# Altium PCB nova34.PcbDoc (part 1 of 4) (continued)
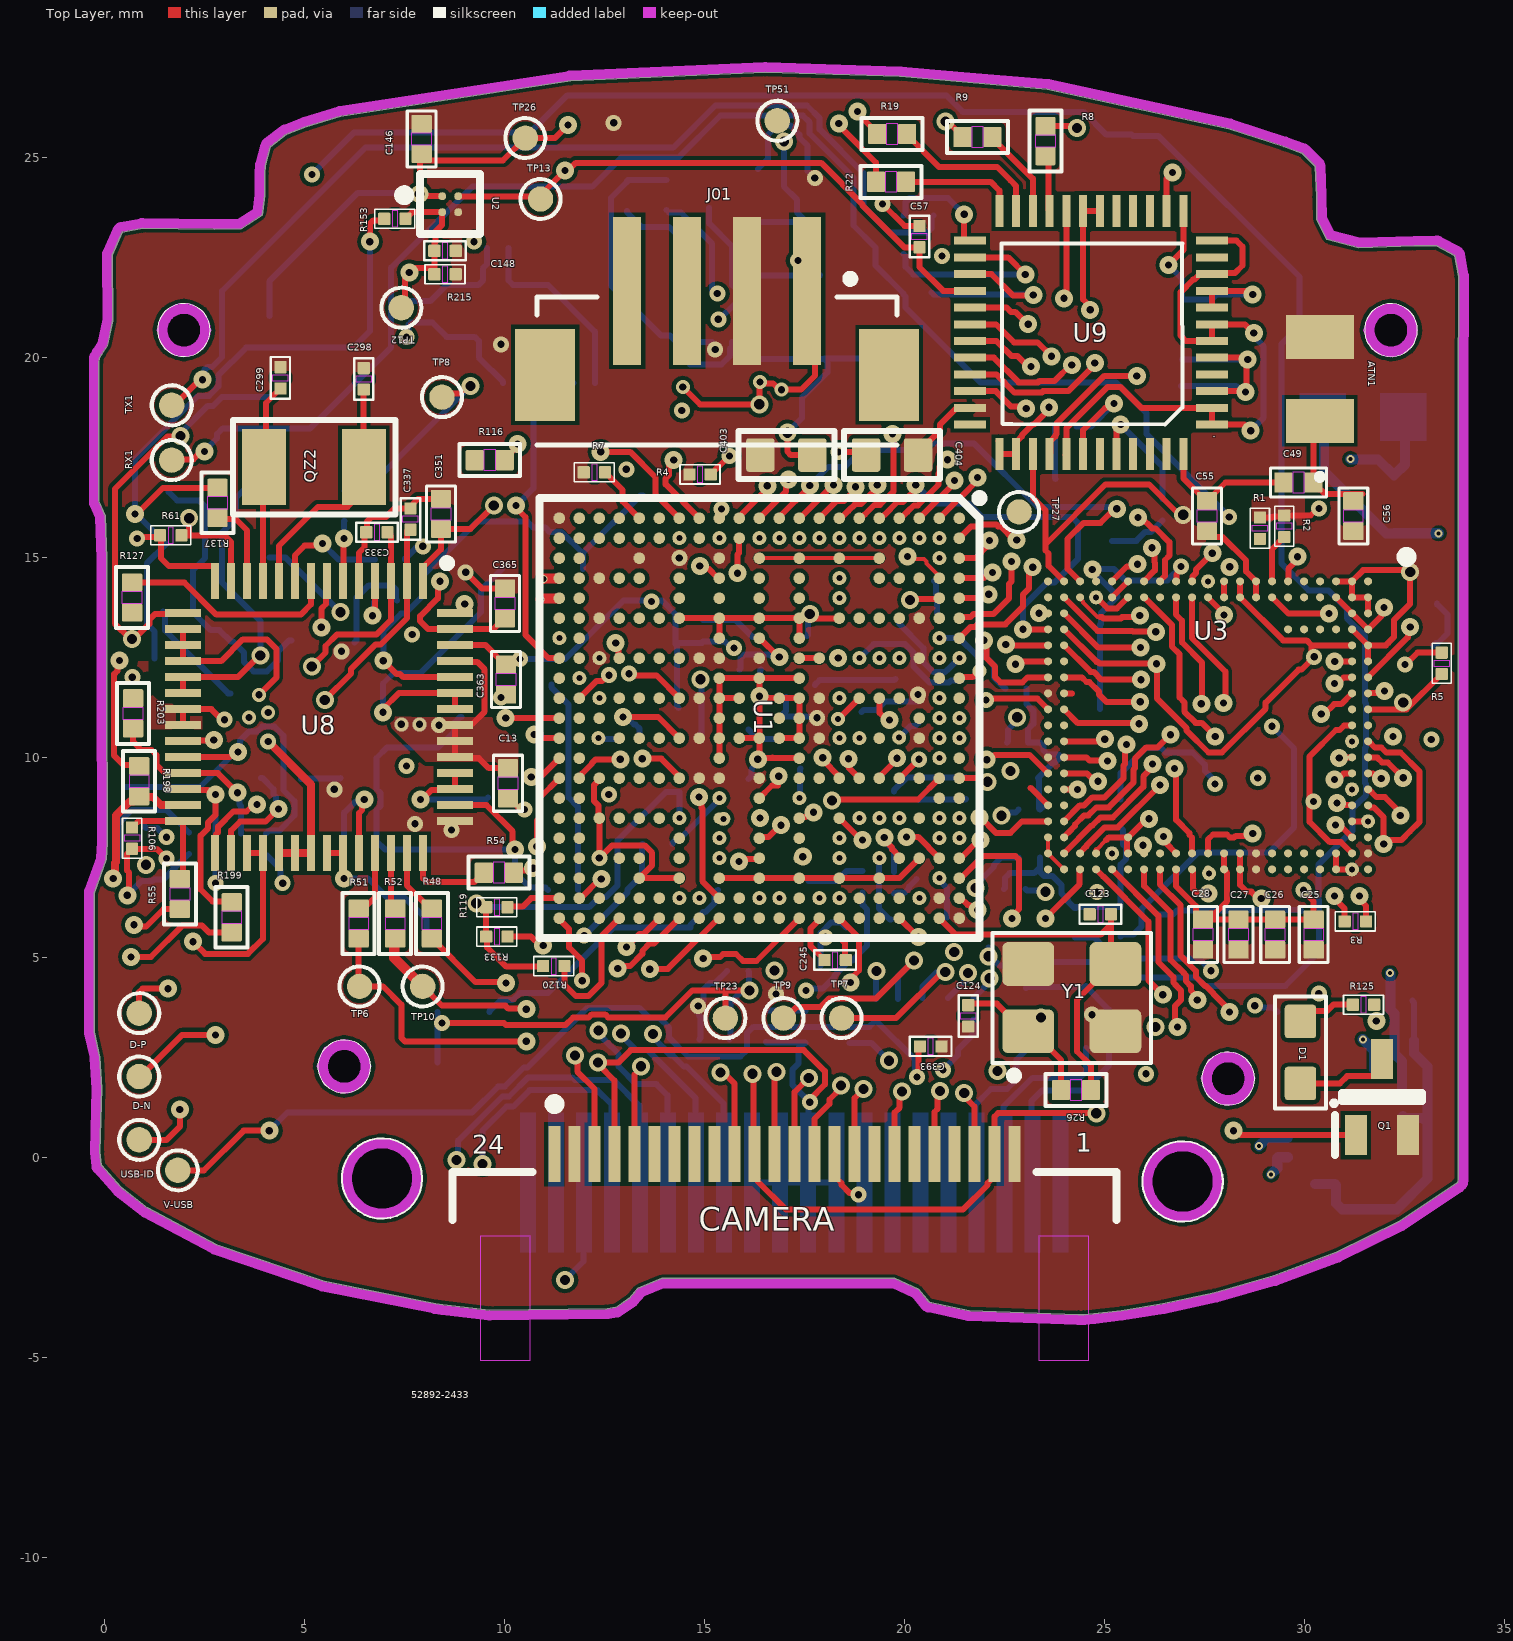
[diagram p0: Top Layer view]
## Footprints (in the part's own frame and the unit in brackets; to place one, negate y for a bottom-side part, rotate by r counter-clockwise, add the part's x,y. Pads: shape width x height; smd on the part's side, far side on the other; paste and mask are expansions set on the pad) (continued)
  silkscreen extent -0.5,-0.5 0.5,0.5
"XTAL_ABS07-32.768KHZ-T - duplicate" [mm] "XTAL_ABS07-32.768KHZ-T\By AAR"
  rect 1.1x1.9 smd: 1(-1.25,0) 2(1.25,0)
  silkscreen extent -2.02,-1.18 2.04,1.18, body extent -1.6,-0.75 1.6,0.75, height 0.9

## Part data
ATN1: "Antennas Ceramic Chip ANTENNA BT/WLAN 2.4-2.5GHz", Manufacturer_Name="Kyocera AVX", Geometry.Height=1.18mm, Manufacturer_Part_Number=M310220
C1 C4 C6 C7 C10 C11 C12 C14 C15 C16: library part CAP_NP
  C1 C4 C6 C10 C11 C12 C14 C16: CLASS=DISCRETE
C3 C5 C8 C9 C17 C21 C30 C100 C101 C104 C148 C244 C264 C392 C393 C485 C486 C491 C492: library part CAP_NP, "CAP CER 0.22UF 10V 20% X5R 0201", Tolerance=20%, Voltage=10V, AGILE_PN=150-78815, CAD_APPROVED=Yes, CLASS=DISCRETE, Height=0.33MM, MFG_NAME01="Taiyo Yuden", MFG_PN01=LMK063BJ224MP-F, PCB Footprint=0201_CC, RoHS=Yes
  C3 C5 C8 C9 C17 C21 C100 C101 C104 C148 C264 C392 C393 C485 C486 C491 C492: FPLIST=CC0201,CC0201_HD,0201_CC
  C30: FPLIST=CC0201,CC0201_HD,0201_CC,0201_CC_012SM_NSP
  C244: FPLIST=CC0201,CC0201_HD,0201_CC,CC_0201_CIR,0201_CC_012SM_NSP
C13 C146 C260 C302 C453: library part CAP_NP, "CAP CER 4.7uF 10V 10% X5R 0402", Tolerance=10%, Voltage=10V, AGILE_PN=150-80044, CAD_APPROVED=Yes, CLASS=DISCRETE, FPLIST=CC0402_25,CC0402_HD,0402_CC, Height=0.65MM, MFG_NAME01="Samsung Electro Mechanics", MFG_PN01=CL05A475KP5NRNC, PCB Footprint=0402_CC, RoHS=Yes
C18 C19 C20 C25 C26 C27 C28 C35 C36 C37 C38 C50: library part CAP_NP, Voltage=6.3V, CLASS=DISCRETE
C22 C23 C24 C29 C31 C32 C33 C34 C39 C40 C41 C42 C43 C44 C45 C46 C47 C48 C51 C52 C53 C54: library part CAP_NP, Voltage=10V, CLASS=DISCRETE
C49 C55 C56: library part CAP_NP, "CAP CER 10PF 25V 5% C0G 0402", Package Size="Paper Tape (7\" Reel)", Package Type=0402, Tolerance=5%, Voltage=25V, AGILE_PN=150-30134, CAD_APPROVED=Yes, CLASS=DISCRETE, FPLIST=CC0402_25,CC0402_HD,0402_CC, Height="0.635 MM", MFG_NAME01="VENKEL COMPANY", MFG_PN01=C0402C0G250-100JNP, PCB Footprint=0402_CC, RoHS=Yes
  C55 C56: ASSY_OPT=DNP
C57 C90 C91 C92 C93 C94 C95 C254 C256 C267 C274 C333 C337 C391 C458 C481 C482 C483 C484 C489 C490: library part CAP_NP, "CAP CER 1uF 6.3V 20% X5R 0201", Package Size=0201, Package Type="7¡± reel", Tolerance=20%, Voltage=6.3V, AGILE_PN=150-79407, CAD_APPROVED=Yes, CLASS=DISCRETE, FPLIST=CC0201,CC0201_HD,0201_CC,0201_CC_012SM_NSP, Height=0.35MM, MFG_NAME01=AVX, MFG_PN01=02016D105MAT2A, PCB Footprint=0201_CC, RoHS=Yes
  C458: ASSY_OPT=DNP
C58 C59 C60 C61: library part CMP-2100-03641-2, "CAP CER 0.1UF 16V X7R 0402", Capacitance=0.10μF, Manufacturer=Murata, Package=GRM15, Temperature="-55°C to +125°C", Temperature Characteristic=X7R, Temperature Range High=+125°C, Temperature Range Low=-55°C, Tolerance=10%, Voltage Rating=16Vdc, Category=Cap, ComponentLink2Description=Datasheet, ComponentLink2URL=https://search.murata.co.jp/Ceramy/image/img/A01X/G101/ENG/GRM155R71H471KA01-01A.pdf, Device Class L1="Passive Components", Device Class L2=Capacitors, Device Class L3="Ceramic Capacitors", Digikey Description="CAP CER 0.1UF 16V X7R 0402", Height=0.55mm, Ipc Land Pattern Name=CAPC10050X219, Lead Free=yes, Manufacturer Part Number=GRM155R71C104KA88D, Material=Ceramic, Mouser Description="0402 0.1 uF 16V ±10 % Tolerance X7R SMT Multilayer Ceramic Capacitor", Octopart=https://octopart.com/grm155r71c104ka88d-murata-196880, RoHS=TRUE, Standoff Height=0mm
C62: library part CMP-2007-00044-1, Manufacturer="AVX Interconnect / Elco", Part Number=TACR476M006XTA
C88 C89 C247 C265 C266 C488 C493 C494 C495: library part CAP_NP, "CAP CER 10UF 6.3V 20% X5R 0402", Tolerance=20%, Voltage=6.3V, AGILE_PN=150-79163, CAD_APPROVED=Yes, CLASS=DISCRETE, FPLIST=CC0402_25,CC0402_HD,0402_CC, Height="0.65 MM", MFG_NAME01="SAMSUNG ELECTRO MECHANICS", MFG_PN01=CL05A106MQ5NUNC, PCB Footprint=0402_CC, RoHS=Yes
C123 C124: library part CAP_NP, "CAP CER 12PF 25V 5% C0G AEC-Q200 0201", Tolerance=5%, Voltage=25V, AGILE_PN=150-79813, CAD_APPROVED=Yes, CLASS=DISCRETE, FPLIST=CC0201,CC0201_HD,0201_CC, Height=0.33MM, MFG_NAME01=TDK, MFG_PN01=CGA1A2C0G1E120J030BA, PCB Footprint=0201_CC, RoHS=Yes
C245 C298 C299: library part CAP_NP, "CAP CER 18pF 50V 5% C0G 0201", Package Size=0201, Package Type="&#966;180mm Paper taping", Tolerance=5%, Voltage=50V, AGILE_PN=150-79476, CAD_APPROVED=Yes, CLASS=DISCRETE, FPLIST=CC0201,CC0201_HD,0201_CC, Height=0.33MM, MFG_NAME01=MURATA, MFG_PN01=GRM0335C1H180JA01D, PCB Footprint=0201_CC, RoHS=Yes
C268: library part CAP_NP, "CAP CER 2200PF 16V 10% X7R 0201", Tolerance=20%, Voltage=16V, AGILE_PN=150-78660, CAD_APPROVED=Yes, CLASS=DISCRETE, FPLIST=CC0201,CC0201_HD,0201_CC, Height="0.33 MM", MFG_NAME01=MURATA, MFG_PN01=GRM033R71C222KA88D, PCB Footprint=0201_CC, RoHS=Yes
C272 C351 C365: library part CAP_NP, "CAP CER 1uF 10V 10% X7S 0402", Package Size=0402, Temp Range="-55C - 125C", Tolerance=10%, Voltage=10, AGILE_PN=150-80357, CAD_APPROVED=Yes, CLASS=DISCRETE, FPLIST=CC0402_25,CC0402_HD,0402_CC, Height=0.6MM, MFG_NAME01=MURATA, MFG_PN01=GRM155C71A105KE11D, PCB Footprint=0402_CC, RoHS=Yes, Temp_Range="-55C - 125C"
C273 C276: library part CAP_NP, "CAP CER 1.0UF 10V 10% X5R 0402", Package Size=0402, Voltage=10V, AGILE_PN=150-75772, CAD_APPROVED=Yes, CLASS=DISCRETE, FPLIST=CC0402_25,CC0402_HD,0402_CC, Height=0.6MM, MFG_NAME01="YAGEO AMERICA", MFG_PN01=CC0402KRX5R6BB105, PCB Footprint=0402_CC, RoHS=Yes
C279 C281 C295 C301 C401 C402: library part CAP_NP, "CAP CER 10.0uF 16V 10% X5R 0603", Package Size=0603, Package Type=SMT, Temp Range="-55¡ãC to +85¡ãC", Tolerance=10%, Voltage=16V, AGILE_PN=150-80060, CAD_APPROVED=Yes, CLASS=DISCRETE, FPLIST=CC0603_OV,CC0603,0603_CC,cc0603_0805_nsp, Height=0.9MM, MFG_NAME01=MURATA, MFG_PN01=GRM188R61C106KAALD, PCB Footprint=CC0603, RoHS=Yes, Temp_Range="-55¡ãC to +85¡ãC"
C283 C285 C287 C311 C317 C318 C403 C404 C479 C480 C496 C497: library part CAP_NP, "CAP CER 22uF 10V 20% X5R 0603", Package Size=0603, Tolerance=20%, Voltage=10V, AGILE_PN=150-79530, CAD_APPROVED=Yes, CLASS=DISCRETE, FPLIST=CC0603_OV,CC0603,0603_CC, Height=1MM, MFG_NAME01=TDK, MFG_PN01=C1608X5R1A226M080AC, PCB Footprint=CC0603, RoHS=Yes, SIGNAL_MODEL=DEFAULT_CAPACITOR_2.2e+07pF_2_1, WVDC=6.3V
  C287 C479 C480: ASSY_OPT=DNP
C363: library part CAP_NP, "CAP CER 2.2uF 10V 10% X5R 0402", Package Size=0402, Tolerance=10%, Voltage=10V, AGILE_PN=150-78974, CAD_APPROVED=Yes, CLASS=DISCRETE, FPLIST=CC0402_25,CC0402_HD,0402_CC, Height="0.55 MM", MFG_NAME01=TDK, MFG_PN01=C1005X5R1A225K, PCB Footprint=0402_CC, RoHS=Yes
CAMERA: library part CMP-1241-00475-1, "0.5 mm Pitch Easy-On(TM) Type FPC Connector, 2.0 mm Mated Height, Right Angle, ZIF, SMT, Bottom Contact, 24 Circuits, -40 to 85 degC, ELV and RoHS Compliant, Tape and Reel", Current (Max per Contact)=0.5A, Manufacturer=Molex, Voltage (Max)=50V, Circuits (Loaded)=24, ComponentLink1Description="Manufacturer URL", ComponentLink1URL=http://www.molex.com/molex/index.jsp, ComponentLink2Description=Datasheet, ComponentLink2URL=http://www.molex.com/webdocs/datasheets/pdf/en-us/0528922433_FFC_FPC_CONNECTORS.pdf, ComponentLink3Description="Package Specification", ComponentLink3URL=http://www.molex.com/pdm_docs/sd/528922433_sd.pdf, Contact Position=Bottom, Durability (mating cycles max)=20, Entry Angle="90degrees Angle", Mated Height=2.00mm, Material - Metal="Phosphor Bronze", Material - Plating Mating="Silver, Tin-Bismuth", Material - Plating Termination="Silver, Tin-Bismuth", Mounting Technology="Surface Mount", Number of Rows=1, Orientation="Right Angle", PackageDescription="24-Lead FPC Connector, Pitch 0.5 mm", PackageReference=52892-2433, PackageVersion="Rev. A, 05/2013", Packing="Tape and Reel", PartNumber=52892-2433, PCB Locator=No, PCB Retention=Yes, Pitch - Mating Interface=0.50mm, Pitch - Termination Interface=0.50mm, Polarized to PCB=No, RoHS=TRUE, Stackable=No
D1 D2 D3 LD1 LD2: library part LED, "LED GRN SGL 25MA SMT 0603", Voltage=2V, AGILE_PN=370-76672, CAD_APPROVED=Yes, CLASS=IC, Height="0.8 MM", MFG_NAME01=DIALIGHT, MFG_PN01=598-8070-107F, PCB Footprint=LED_0603, RoHS=Yes
J01: library part "Header 4", LatestRevisionDate=17-Jul-2002, LatestRevisionNote="Re-released for DXP Platform.", Publisher="Altium Limited"
L5 L6 L11 L15 L16: library part INDUCTOR, "IND PWR 0.47uH@1MHZ 4.7A 20% SMT", Temp Range="-40¡ãC to +125¡ãC", Tolerance=20%, AGILE_PN=180-78647, CAD_APPROVED=Yes, CLASS=DISCRETE, Height=1.2MM, MFG_NAME01="SHENZHEN SUNLORD ELECTRONICS CO., LTD", MFG_PN01=WPN252012ER47MT, PART_TYPE=INDUCTOR\POWER, PCB Footprint=ind_sph2520, RoHS=Yes, Temp_Range="-40¡ãC to +125¡ãC", TOL=20%
  L16: ASSY_OPT=DNP
L13: library part INDUCTOR, "IND WW 0.47uH@1MHz 3.4A 20% 2016", Temp Range="-40C to +85C", Tolerance=20%, Voltage="20V DC", AGILE_PN=180-78630, CAD_APPROVED=Yes, CLASS=DISCRETE, Height=1.2MM, MFG_NAME01=MURATA, MFG_PN01=1286AS-H-R47M=P2, PART_TYPE=INDUCTOR, PCB Footprint=IND_2016A, RoHS=Yes, Temp_Range="-40C to +85C"
Q1: library part NMOS_NX3008NBK, "TRAN NMOS SW 30V 350mA AEC-Q101 SC-70", AGILE_PN=480-79736, CAD_APPROVED=Yes, CLASS=IC, Height=1.1MM, MFG_NAME01=NEXPERIA, MFG_PN01=NX3008NBKW,115, PCB Footprint=sc70_3, RoHS=Yes
QZ2: library part XTAL, "XTAL 32.768KHZ 12.5PF 20PPM 3.2X1.5MM SMT", AGILE_PN=230-77653, CAD_APPROVED=Yes, CLASS=IC, Height=0.9MM, MFG_NAME01="Abracon Corporation", MFG_PN01=ABS07-32.768KHZ-T, PCB Footprint=XTAL2-3P2X1P5-SM, RoHS=Yes
R1 R2 R7: library part RES, "RES MF 240 OHM 1/20W 1% 0201", Temp Range="-55¡ãC ~ 125¡ãC", Tolerance=1%, Voltage=25V, AGILE_PN=470-81317, CAD_APPROVED=Yes, CLASS=DISCRETE, FPLIST=CC0201,CC0201_HD,0201_CC, Height=0.26MM, MFG_NAME01="YAGEO AMERICA", MFG_PN01=RC0201FR-07240RL, PCB Footprint=0201_CC, RoHS=Yes, Temp_Range="-55¡ãC ~ 125¡ãC"
R3 R4 R5 R18 R23 R119 R120 R153: library part RES, "RES MF 10K 1/20W 5% 0201", Tolerance=5%, AGILE_PN=470-79719, CAD_APPROVED=Yes, CLASS=DISCRETE, FPLIST=RC0201,0201_CC, Height="0.26 MM", MFG_NAME01="RALEC ELECTRONIC CORP", MFG_PN01=RTT01103JTH, PCB Footprint=0201_CC, RoHS=Yes
  R3 R5 R119 R120: ASSY_OPT=DNP
R6 R8 R9 R19 R22 R28 R30 R31 R48 R51 R52 R54 R55 R100 R111 R113 R114 R116 R127 R137 R191 R192 R193 R194 R195 R198 R199 R202 R203 R216 R220 R224: library part RES, "RES MF ZERO OHM 1/16W 5% 0402", Tolerance=5%, Voltage=1/16W, AGILE_PN=470-75394, CAD_APPROVED=Yes, CLASS=DISCRETE, Height="0.45 MM", MFG_NAME01="YAGEO AMERICA", MFG_PN01=RC0402JR-070RL, PCB Footprint=0402_CC, RoHS=Yes
  R6 R191 R193 R198 R199 R202 R203 R216 R224: ASSY_OPT=DNP, FPLIST=RC0402_25,RC0402_HD,RC0402_X2,0402_CC
  R8 R9 R19 R22 R28 R30 R31: FPLIST=RC0402_25,RC0402_HD,RC0402_X2,0402_CC, SIGNAL_MODEL=DEFAULT_RESISTOR_10000OHM_2_1, TOL=1%
  R48 R52 R54 R55 R100 R113 R127 R192 R194 R195 R220: FPLIST=RC0402_25,RC0402_HD,RC0402_X2,0402_CC
  R111: SIGNAL_MODEL=DEFAULT_RESISTOR_10000OHM_2_1, TOL=1%
  R116: ASSY_OPT=DNP
R10 R11 R12 R13 R14 R15 R16 R17 R133 R196 R197 R200 R201: library part RES, "RES MF 4.7K 1/20W 5% AEC-Q200 0201", Temp Range="-55C to +155C", Tolerance=5%, AGILE_PN=470-79700, CAD_APPROVED=Yes, CLASS=DISCRETE, FPLIST=RC0201,0201_CC, Height=0.25MM, MFG_NAME01="KOA SPEER", MFG_PN01=RK73B1HTTC472J, PCB Footprint=0201_CC, RoHS=Yes, Temp_Range="-55C to +155C"
  R12 R13 R14 R15 R16 R17 R196 R197 R200 R201: ASSY_OPT=DNP
R20 R21 R61 R102 R103 R106 R217 R219: library part RES, "RES MF 100K 1/20W 1% 0201", Tolerance=1%, AGILE_PN=470-77704, CAD_APPROVED=Yes, CLASS=DISCRETE, FPLIST=RC0201,0201_CC, Height=0.26MM, MFG_NAME01=SKYMOS, MFG_PN01=RC-0201-104FT, PCB Footprint=0201_CC, RoHS=Yes
  R61 R102 R106 R217 R219: ASSY_OPT=DNP
R24 R25 R125 R218: library part RES, "RES MF 1.0K OHM 1/20W 1% 30V -55+155C 0201", Temp Range="-55¡ãC ~ 155¡ãC", Tolerance=1%, Voltage=30, AGILE_PN=470-82221, CAD_APPROVED=Yes, CLASS=DISCRETE, FPLIST=RC0201,0201_CC, Height=0.28MM, MFG_NAME01="VISHAY INTERTECHNOLOGY", MFG_PN01=CRCW02011K00FNED, PCB Footprint=0201_CC, RoHS=Yes, Temp_Range="-55¡ãC ~ 155¡ãC"
  R218: ASSY_OPT=DNP
R26: library part RES, "RES MF 510K 1/16W 5% 0402", Tolerance=5%, AGILE_PN=470-76166, CAD_APPROVED=Yes, CLASS=DISCRETE, FPLIST=RC0402_25,RC0402_HD,0402_CC, Height="0.4 MM", MFG_NAME01=PANASONIC, MFG_PN01=ERJ-2GEJ514X, PCB Footprint=0402_CC, RoHS=Yes
R27: library part RES, "RES MF 50 OHM 1/20W 5% 0402", Package Size="0402 (1005 Metric)", Tolerance=5%, AGILE_PN=470-82494, CAD_APPROVED=YES, CLASS=DISCRETE, FPLIST=RC0402_25,RC0402_HD,0402_CC, Height=0.627MM, MFG_NAME01=VISHAY, MFG_PN01=CH0402-50RJNPA, PCB Footprint=0402_CC, RoHS=Yes
R29: library part RES, "RES MF 200 OHM 1/20W 1% 0201", Temp Range="-55¡ãC ~ 125¡ãC", Tolerance=1%, Voltage=25V, AGILE_PN=470-82323, CAD_APPROVED=Yes, CLASS=DISCRETE, FPLIST=RC0201,0201_CC, Height=0.26MM, MFG_NAME01="YAGEO AMERICA", MFG_PN01=RC0201FR-07200RL, PCB Footprint=0201_CC, RoHS=Yes, Temp_Range="-55¡ãC ~ 125¡ãC"
R32 R33 R34 R35: library part CMP-2002-07353-1, Manufacturer="Yageo / Phycomp", Part Number=RC0402FR-0710KL
R47 R77 R78 R79: library part RES, "RES MF 10K 1/16W 5% 0402", Tolerance=5%, AGILE_PN=470-75557, ASSY_OPT=DNP, CAD_APPROVED=Yes, CLASS=DISCRETE, FPLIST=RC0402_25,RC0402_HD,0402_CC, Height="0.4 MM", MFG_NAME01="VISHAY INTERTECHNOLOGY", MFG_PN01=CRCW040210K0JNED, PCB Footprint=0402_CC, RoHS=Yes, TOL=5%
R108: library part RES, "RES MF 30K 1/20W 1% 0201", Temp Range="-55¡ãC ~ 155¡ãC", Tolerance=1%, Voltage=25V, AGILE_PN=470-81353, CAD_APPROVED=Yes, CLASS=DISCRETE, FPLIST=RC0201,0201_CC, Height=0.26MM, MFG_NAME01="YAGEO AMERICA", MFG_PN01=RC0201FR-0730KL, PCB Footprint=0201_CC, RoHS=Yes, Temp_Range="-55¡ãC ~ 155¡ãC"
R215: library part RES, "RES MF 12K 1/20W 1% 0201", Tolerance=1%, Voltage=1/20W, AGILE_PN=470-77701, CAD_APPROVED=Yes, CLASS=DISCRETE, FPLIST=RC0201,0201_CC, Height=0.26MM, MFG_NAME01=SKYMOS, MFG_PN01=RC-0201-123FT, PCB Footprint=0201_CC, RoHS=Yes
TP6 TP7 TP8 TP9 TP10 TP23 TP25 TP26 TP27 TP51 TP68: library part "T POINT R", "TEST POINT PAD .035 SMT, no part to order", AGILE_PN=510-75618, ASSY_OPT=DNP, CAD_APPROVED=Yes, CLASS=IC, Height=0.1MM, PCB Footprint=testpoint_35mil, RoHS=Yes
TP12 TP13: library part TESTLOOP, "TEST POINT PAD 0.5MM DIA SMT, NO PART TO ORDER", AGILE_PN=211-77484, CAD_APPROVED=Yes, CLASS=IO, Height=0.1MM, PCB Footprint=tpad_020, RoHS=Yes
U1: library part MIMX8MN, "IC CPU QUAD CORTEX A53+M7 1.4GHZ -- BGA306", Temp Range="-40¡ãC to 105¡ãC", AGILE_PN=TMP-CIP-5098, CAD_APPROVED=Yes, CLASS=IC, Height=1.01MM, MFG_NAME01="NXP SEMICONDUCTORS", MFG_PN01=MIMX8MN5CVPIZAA, PCB Footprint=pbga306_0p5_sq11mm, PRE_APN=330-77152, RoHS=Yes
U2: library part CMP-09138-000080-1, "IC PWR SWITCH P-CHAN 1:1 4WLCSP", Max Input Voltage=3.6V, Max Operating Temperature=85°C, Max Output Current=500mA, Max Power Dissipation=7.2uW, Min Input Voltage=1.1V, Min Operating Temperature=-40°C, On-State Resistance=105mR, Operating Supply Current=2uA, Package Quantity=1, Interface=On/Off, Lead Free="Contains Lead", Max Supply Current=500mA, Mount="Surface Mount", Nominal Supply Current=500mA, Number of Outputs=1, Number of Pins=4, Operating Supply Voltage=3.6V, Output Configuration="High Side", Output Current=500mA, Packaging="Tape and Reel", Radiation Hardening=No, REACH SVHC="No SVHC", RoHS Compliant=Yes, Series=-, Supply Current=500mA
U4: library part CMP-2000-07537-3, "IMU ACCEL/GYRO I2C/SPI 14LGA", Case/Package=LGA, Max Operating Temperature=85°C, Min Operating Temperature=-40°C, Lead Free="Lead Free", Mount="Surface Mount", Output Type=SPI, Packaging="Cut Tape", Sensor Type=Accelerometer
U5: library part CMP-05698-000018-1, "IC AMP CLASS D MONO 3.2W 16TQFN", Max Operating Temperature=85°C, Max Output Current=1.6A, Max Output Power=3.2W, Max Power Dissipation=1.666W, Max Supply Voltage=5.5V, Min Operating Temperature=-40°C, Min Supply Voltage=2.5V, Power Supply Rejection Ratio (PSRR)=77dB, Voltage Gain=15dB, Contact Plating=Tin, Mount="Surface Mount", Number of Pins=16, Packaging="Tape and Reel", Radiation Hardening=No, RoHS Compliant=Yes, Series=-
U8: library part PCA9450_HVQFN56P_A, "IC POWER MANAGEMENT 2.7-5.5V HVQFN56", Temp Range="-40C to +105C", Voltage=2.7-5.5V, AGILE_PN=TMP-WF-36197, CAD_APPROVED=Yes, CLASS=IC, Height=1MM, MFG_NAME01="NXP SEMICONDUCTORS", MFG_PN01=PCA9450BHN, PCB Footprint=hvqfn56_0p4_7x7_ep4p7mm, PRE_APN=315-82314, RoHS=Yes, SPLIT_INST=TRUE, SWAP_INFO=(S1+S2+S3), Temp_Range="-40C to +105C"
U12: library part 1G125, "IC BUF TS 0.9-3.6V", AGILE_PN=312-30153, ASSY_OPT=DNP, CAD_APPROVED=Yes, CLASS=IC, Height=1.1MM, MFG_NAME01=FAIRCHILD, MFG_PN01=NC7SP125P5X, PCB Footprint=SC70-5_A, RoHS=Yes
Y1: library part XTAL_13, "XTAL 24MHZ 9pF -- SMT 3.2X2.5MM", AGILE_PN=230-77392, CAD_APPROVED=Yes, CLASS=IC, Height=0.60MM, MFG_NAME01="EPSON TOYOCOM CORPORATION", MFG_PN01="TSX-3225 24.0000MF15X-AC3", PCB Footprint=xtlosc4_3p2x2p5mm_sm, RoHS=Yes

## Free pads (board coordinates)
  round 0.35 hole 0.15: 2(14.867,6.474) 3(16.367,6.474) 4(16.867,6.474) 5(18.367,7.974) 6(18.367,7.474) 7(17.867,6.474) 8(18.367,6.474) 9(20.367,6.474) 10(19.367,7.474) 11(19.367,8.474) 12(18.867,8.474) 13(19.867,8.474) 14(19.863,10.49) 15(18.367,11.474) 16(18.867,10.474) 17(20.867,8.474) 18(21.367,8.474) 19(20.867,7.974) 20(21.367,7.974) 21(20.867,6.974) 22(15.367,15.474) 23(16.367,15.474) 24(16.867,15.474) 25(17.867,15.474) 26(18.367,15.474) 27(18.867,15.474) 28(19.367,15.474) 29(17.367,15.474) 30(19.867,15.474) 31(20.367,15.474) 32(20.867,15.474) 33(20.867,14.974) 34(18.367,14.474) 35(18.367,13.974) 36(18.867,12.474) 37(19.367,12.474) 38(19.867,12.474) 39(20.867,12.474) 40(21.367,12.474) 41(20.867,12.974) 42(18.367,10.474) 43(20.867,11.474) 44(17.367,8.974) 45(15.367,8.974) 46(15.469,8.458) 47(15.367,7.974) 48(15.367,7.474) 49(14.367,15.474) 50(11.367,12.974) 51(11.867,11.974) 52(14.367,8.474) 53(14.367,6.474) 54(21.367,10.974) 55(21.367,10.474) 56(20.867,10.474) 57(20.867,10.974) 59(20.867,9.974) 60(31.184,9.195) 61(31.584,8.395) 63(31.184,7.195) 64(31.184,10.395) 66(24.784,13.995) 69(12.367,11.474) 70(12.367,12.474) 71(27.584,14.395) 72(25.184,7.595) 77(12.342,10.474) 79(27.61,7.093)

## Via types
v1: diameter 0.45, hole 0.18, Top Layer to Bottom Layer, tented both sides, 190 vias
v2: diameter 0.4, hole 0.18, Top Layer to Bottom Layer, tented both sides, 77 vias
v3: diameter 0.45, hole 0.254, Top Layer to Bottom Layer, tented both sides, 62 vias
v4: diameter 0.35, hole 0.18, Top Layer to Bottom Layer, tented both sides, 8 vias
v5: diameter 0.2, hole 0.1, Top Layer to Bottom Layer, 6 vias
v6: diameter 0.2, hole 0.15, Top Layer to Bottom Layer, 2 vias
v7: diameter 0.35, hole 0.15, Top Layer to Bottom Layer, tented both sides, 2 vias

## Nets (pads, with @x,y where several pads share a name; then routed paths per layer and width w, separated by ;. In a path a pad name is that pad's centre, name@x,y a point inside that pad or via, vN(x,y) a via of type N, cw(c..) or ccw(c..) an arc to the next point about the centre after c; other vN are vias at no path point)
B_CLK: U1.AA5 U5.16 | length 33.9
  Top Layer w0.254: v6(10.897,13.945) 10.919,13.967 11.36,13.967 U1.AA5@11.367,13.974
  Int5 (PWR) w0.254: v6(10.897,13.945) 10.897,11.049 12.175,9.77 12.175,8.887 13.298,7.764 14.146,7.764 15.416,6.494 15.416,3.755 14.94,3.28 14.94,1.927 15.923,0.945 24,0.945 24.711,1.656 26.212,1.656 27.731,3.175 31.224,3.175 v5(31.453,2.946)
  Bottom Layer w0.254: v5(31.453,2.946) 31.738,2.661 31.738,2.197 U5.16@31.761,2.174
BOOT_MODE0: R47.1 U1.G16 | length 15.4
  Top Layer w0.15: U1.G16@18.367,8.474 18.37,8.474 18.915,7.929 v1(18.943,7.929)
  Int6 (Sign) w0.15: v1(18.943,7.929) 18.943,7.401 19.368,6.976 20.363,6.976 20.716,6.623 21.097,6.623 21.601,7.126 25.192,7.126 v2(27.661,4.657)
  Bottom Layer w0.15: R47.1@24.257,5.492 24.736,5.492 24.969,5.259 24.969,5.236 25.235,4.971 27.347,4.971 v2(27.661,4.657)
BOOT_MODE1: pad.6 R79.1 U1.G18 | length 15.8
  Int3 (Sign) w0.15: pad.6@18.367,7.474 18.791,7.474 19.143,7.123 20.255,7.123 20.458,7.326 21.571,7.326 21.706,7.19 23.893,7.19 24.128,6.955 24.128,6.529 24.536,6.121 24.836,6.121 25.445,6.73 25.575,6.73 26.458,7.613 26.634,7.613 26.852,7.831 26.852,7.87 26.869,7.886 26.869,8.436 27.76,9.327 v2(27.76,9.331)
  Bottom Layer w0.15: R79.1@25.4,8.935 25.4,9.601 26.027,10.228 26.411,10.228 26.523,10.116 27.196,10.116 27.502,9.81 27.502,9.657 27.76,9.399 v2(27.76,9.331)
BOOT_MODE2: pad.12 R78.1 U1.F16 | length 23.4
  Int5 (PWR) w0.15: pad.12@18.867,8.474 19.375,8.982 22.541,8.982 24.127,10.567 24.127,12.358 25.712,13.943 26.045,13.943 29.185,10.804 v2(29.185,10.77)
  Bottom Layer w0.15: R78.1@25.4,5.518 25.452,5.57 25.727,5.57 25.917,5.76 25.917,6.2 27.337,7.62 29.113,7.62 29.739,8.246 29.739,10.215 v2(29.185,10.77)
BOOT_MODE3: pad.5 R77.1 U1.G17 | length 13.6
  Int6 (Sign) w0.15: pad.5@18.367,7.974 18.015,7.623 18.015,7.329 19.439,5.905 21.526,5.905 22.008,5.423 26.362,5.423 27.505,4.281 28.256,4.281 v2(28.753,3.785)
  Bottom Layer w0.15: v2(28.753,3.785) 28.801,3.737 29.213,3.737 R77.1@29.318,3.632
BT_CTS: pad.43 R30.2 U1.B10 | length 16.7
  Int6 (Sign) w0.15: pad.43@20.867,11.474 pad.43@20.867,11.474 20.583,11.192 19.923,11.192 19.641,11.474 18.864,11.474 18.426,11.913 18.337,11.913 16.224,14.026 16.224,14.765 16.015,14.973 16.015,16.798 16.927,17.71 17.235,17.71 20.932,21.408 v2(20.932,22.53)
BT_CTS_RES: R30.1 U9.26 | length 5
  Top Layer w0.15: U9.26@21.634,22.493 22.588,22.493 v1(23.016,22.065)
  Bottom Layer w0.15: R30.1@19.97,22.581 20.023,22.528 20.023,22.253 20.212,22.065 v1(23.016,22.065)
BT_RXD: R28.2 TX1.1 U1.E10 | length 47.4
  Top Layer w0.15: TX1.1@1.676,18.796 1.74,18.796 2.379,19.435 v1(2.442,19.435) ; U1.E10@19.367,11.474 19.376,11.465 19.376,11.104 19.551,10.929 v1(19.62,10.929)
  Int2 (GND) w0.15: v1(2.442,19.435) 3.498,18.379 3.498,18.194 4.496,17.196 v2(13.041,17.196)
  Int3 (Sign) w0.15: v2(13.041,17.196) 14.124,16.113 14.226,16.113 15.279,15.059 15.279,15.008 15.422,14.866 15.422,14.433 16.322,13.533 16.755,13.533 17.516,12.772 17.516,12.736 18.175,12.077 18.617,12.077 19.09,11.604 19.09,11.46 v1(19.62,10.929)
  Bottom Layer w0.15: v1(2.442,19.435) 2.5,19.492 2.5,19.686 2.565,19.751 2.683,19.751 2.935,20.004 2.935,21.654 6.517,25.236 14.212,25.236 15.268,26.291 17.558,26.291 17.874,25.975 17.874,25.694 18.971,24.597 18.971,23.771 19.627,23.115 20.565,23.115 20.668,23.219 20.668,23.494 R28.2@20.72,23.546
BT_RXD_RES: R28.1 U9.25 | length 2.8
  Top Layer w0.15: v1(21.488,23.571) 21.488,22.936 21.513,22.911 U9.25@21.634,22.911
  Bottom Layer w0.15: R28.1@19.97,23.546 20.023,23.598 20.023,23.873 20.126,23.976 21.083,23.976 v1(21.488,23.571)
BT_TXD: R31.2 RX1.1 U1.A9 | length 45.7
  Top Layer w0.15: RX1.1@1.676,17.424 1.697,17.445 2.219,17.445 2.417,17.644 v1(2.499,17.644) ; U1.A9@21.367,11.974 21.394,12.001 21.7,12.001 21.855,12.156 v7(21.874,12.156)
  Int4 (Sign) w0.15: v7(21.874,12.156) 22.371,12.156 22.606,11.921 23.525,11.921 25.573,13.97 25.552,13.97 26.518,14.935 26.518,14.937 27.586,16.006 v2(28.115,16.006)
  Bottom Layer w0.15: v1(2.499,17.644) 2.499,17.658 2.81,17.969 2.81,18.075 2.954,18.219 5.138,18.219 7.164,20.246 7.164,22.235 9.19,24.262 12.189,24.262 12.912,24.984 14.342,24.984 15.397,26.04 17.454,26.04 17.623,25.871 17.623,25.59 18.72,24.493 18.72,23.291 19.268,22.742 19.268,22.292 19.97,21.59 R31.2@19.97,21.565 20.023,21.512 20.023,21.237 21.893,19.367 25.279,19.367 26.049,18.597 26.049,18.072 v2(28.115,16.006)
BT_TXD_RES: R31.1 U9.27 | length 17
  Top Layer w0.15: U9.27@21.634,22.075 22.172,22.075 22.703,21.544 23.209,21.544 v1(23.216,21.55)
  Bottom Layer w0.15: R31.1@20.668,21.617 R31.1@20.72,21.565 ; v1(23.216,21.55) v1@23.23,21.565 ; R31.1@20.72,21.565 v1@23.23,21.565 ; R31.1@20.72,21.565 v1@23.23,21.565 ; R31.1@20.72,21.565 v1@23.23,21.565 ; R31.1@20.72,21.565 v1@23.23,21.565 ; R31.1@20.72,21.565 v1@23.23,21.565 ; R31.1@20.72,21.565 v1@23.23,21.565
BT_WAKE_DEV: U1.T20
BT_WAKE_HOST: pad.53 U1.R20 U9.18 U9.19 | length 32.7
  Top Layer w0.15: v1(24.638,21.182) 24.638,21.263 24.46,21.441 U9.19@24.46,23.647 U9.18@24.878,23.647
  Int2 (GND) w0.15: pad.53@14.367,6.474 14.719,6.123 16.89,6.123 17.142,5.871 18.617,5.871 19.114,6.368 19.976,6.368 20.221,6.123 20.513,6.123 21.219,6.829 21.219,7.038 21.306,7.126 22.964,7.126 23.281,7.442 24.791,7.442 24.978,7.255 25.064,7.255 25.156,7.163 26.213,7.163 28.204,9.154 28.204,11.023 28.305,11.124 28.305,11.127 28.525,11.347 28.525,16.128 26.967,17.686 26.96,17.686 25.403,19.243 25.403,19.772 24.638,20.537 v1(24.638,21.182)